# Altium PCB ROS-Robot-Controller.PcbDoc (part 1 of 2) (continued)
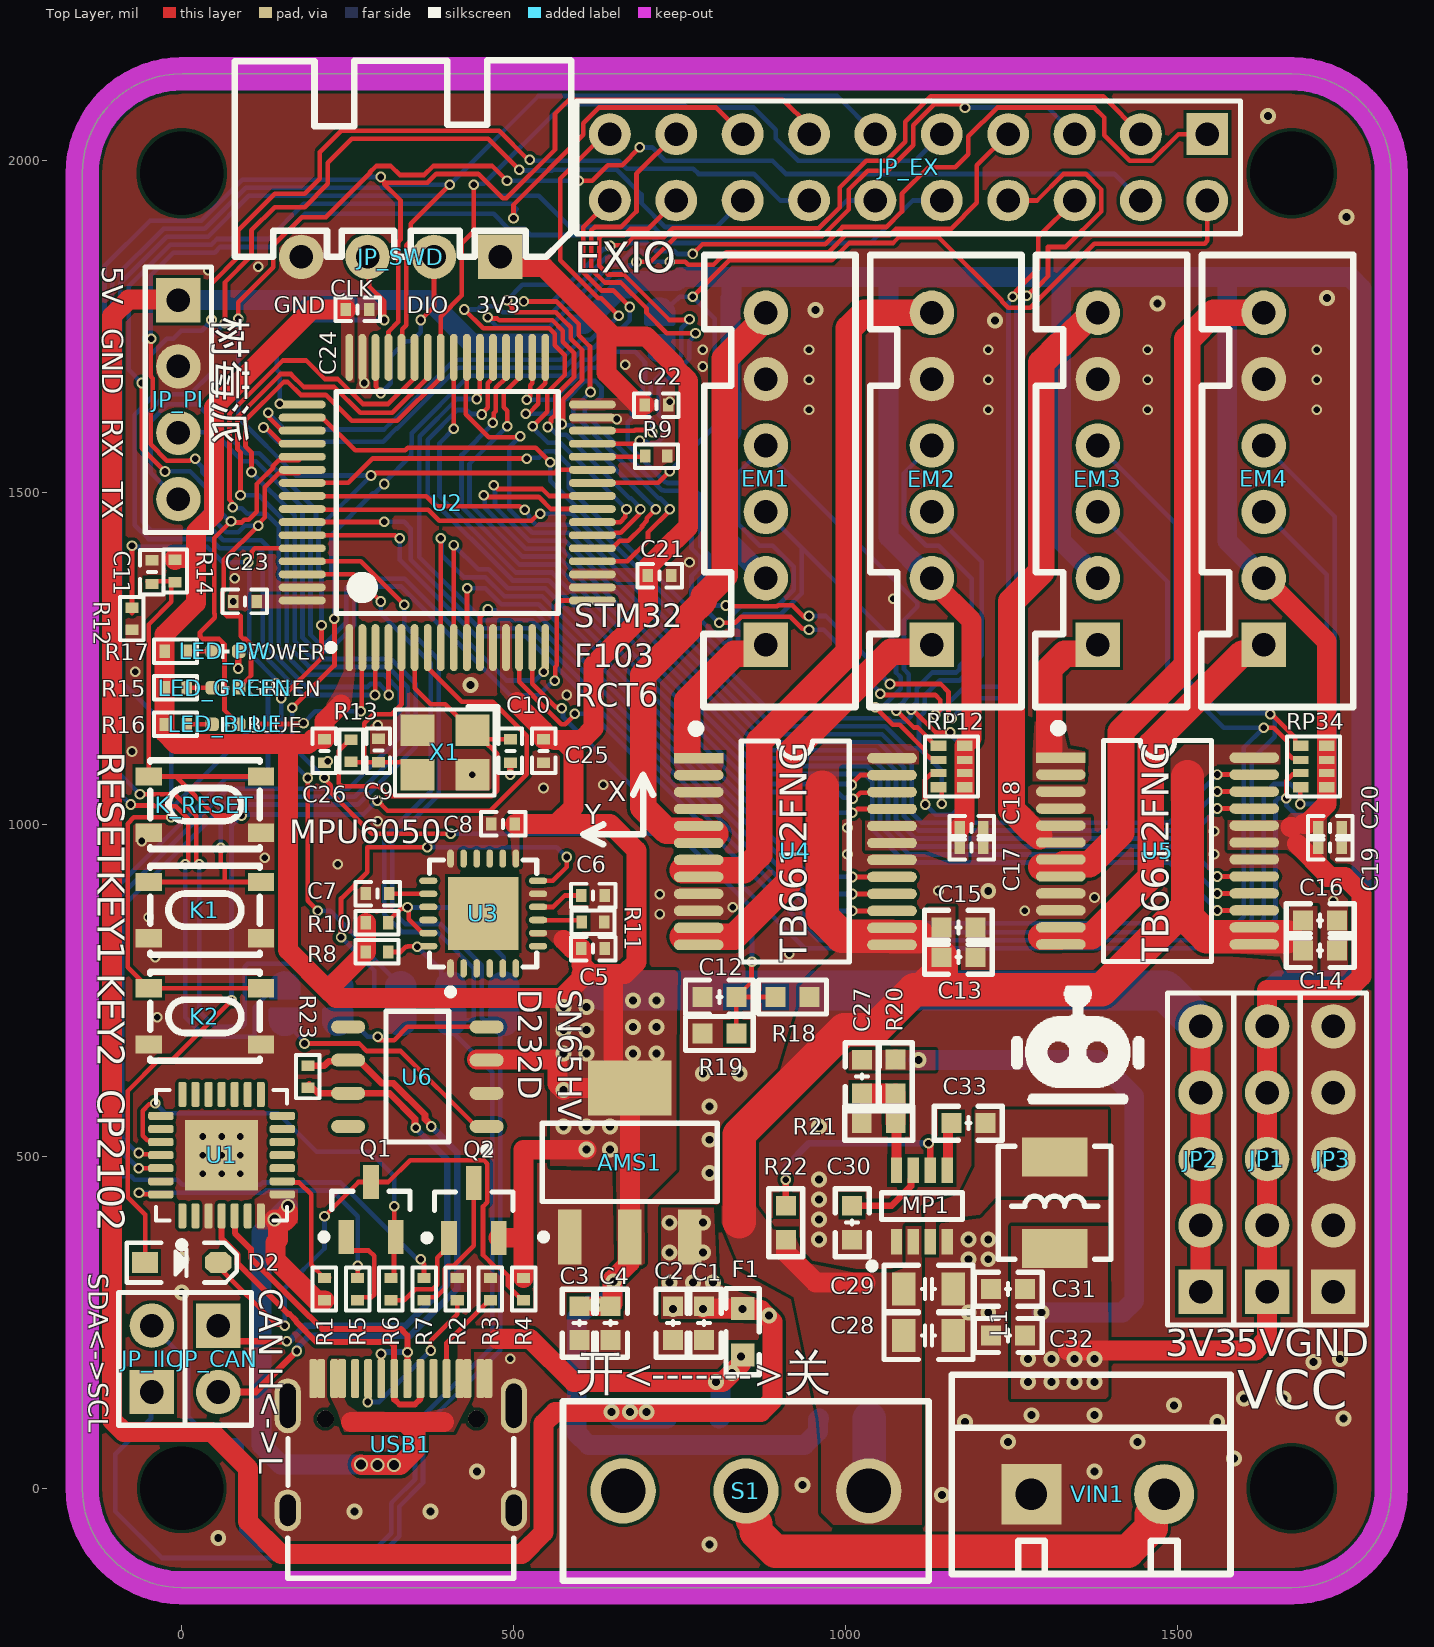
[diagram p0: Top Layer view]
## Footprints (in the part's own frame and the unit in brackets; to place one, negate y for a bottom-side part, rotate by r counter-clockwise, add the part's x,y. Pads: shape width x height; smd on the part's side, far side on the other; paste and mask are expansions set on the pad) (continued)
  oval 0.3x1.8 smd: 17(-3.75,-5.55) 18(-3.25,-5.55) 19(-2.75,-5.55) 20(-2.25,-5.55) 21(-1.75,-5.55) 22(-1.25,-5.55) 23(-0.75,-5.55) 24(-0.25,-5.55) 25(0.25,-5.55) 26(0.75,-5.55) 27(1.25,-5.55) 28(1.75,-5.55) 29(2.25,-5.55) 30(2.75,-5.55) 31(3.25,-5.55) 32(3.75,-5.55) 49(3.75,5.55) 50(3.25,5.55) 51(2.75,5.55) 52(2.25,5.55) 53(1.75,5.55) 54(1.25,5.55) 55(0.75,5.55) 56(0.25,5.55) 57(-0.25,5.55) 58(-0.75,5.55) 59(-1.25,5.55) 60(-1.75,5.55) 61(-2.25,5.55) 62(-2.75,5.55) 63(-3.25,5.55) 64(-3.75,5.55)
  silkscreen extent -5.67,-4.25 4.25,4.57, body extent -6,-6 6,6, height 1.45
"OSC 3225-4P" [mm] "3.2*2.5*0.7mm(长宽高)"
  rect 1.3x1.2 smd: 1(-1.05,-0.85) 2(1.05,-0.85) 3(1.05,0.85) 4(-1.05,0.85)
  silkscreen extent -2.03,-1.75 1.91,1.65, body extent -1.6,-1.25 1.6,1.25, height 0.7
QFN-24 [mm] "QFN, 24-Leads, Body 4.1x4.1mm (max), Pitch 0.50mm, IPC Low Density"
  oval 0.7x0.25 smd: 1(-2.1,1.25) 2(-2.1,0.75) 3(-2.1,0.25) 4(-2.1,-0.25) 5(-2.1,-0.75) 6(-2.1,-1.25) 13(2.1,-1.25) 14(2.1,-0.75) 15(2.1,-0.25) 16(2.1,0.25) 17(2.1,0.75) 18(2.1,1.25)
  oval 0.25x0.7 smd: 7(-1.25,-2.1) 8(-0.75,-2.1) 9(-0.25,-2.1) 10(0.25,-2.1) 11(0.75,-2.1) 12(1.25,-2.1) 19(1.25,2.1) 20(0.75,2.1) 21(0.25,2.1) 22(-0.25,2.1) 23(-0.75,2.1) 24(-1.25,2.1)
  rect 2.8x2.7 smd: ""(0,0)
  silkscreen extent -3.12,-2.05 2.05,2.05, body extent -2.02,-2.02 2.02,2.02, height 0.95
QFN-28 [mil]
  rrect50% 38x12 smd mask+5: 1(-91.5,59.05) 2(-91.5,39.37) 3(-91.5,19.68) 4(-91.5,0) 5(-91.5,-19.69) 6(-91.5,-39.37) 7(-91.5,-59.06) 15(91.5,-59.06) 16(91.5,-39.37) 17(91.5,-19.69) 18(91.5,0) 19(91.5,19.68) 20(91.5,39.37) 21(91.5,59.05)
  rrect50% 12x38 smd mask+5: 8(-59.05,-91.5) 9(-39.37,-91.5) 10(-19.68,-91.5) 11(0,-91.5) 12(19.69,-91.5) 13(39.37,-91.5) 14(59.06,-91.5) 22(59.06,91.5) 23(39.37,91.5) 24(19.69,91.5) 25(0,91.5) 26(-19.68,91.5) 27(-39.37,91.5) 28(-59.05,91.5)
  rect 106.3x110.24 smd: 29(0,0)
  silkscreen extent -140,-98 99,98, body extent -98,-98 98,98, height 35
R0402_L [mm] "1/16W贴片电阻"
  rect 0.4x0.5 smd: 1(-0.425,0) 2(0.425,0)
  silkscreen extent -0.83,-0.45 0.82,0.45, body extent -0.5,-0.25 0.5,0.25, height 0.3
R0603_L [mil] "1/10W贴片电阻"
  rect 30x30 smd: 1(-25.59,0) 2(25.59,0)
  silkscreen extent -51,-26 51,26, body extent -31,-16 32,16, height 16
RCA-8P4R-0402 [mm] "2mm*1mm*0.45mm(长*宽*厚)             淘宝ID:黄晶宝石"
  rect 0.4x0.6 smd: 1(-0.8,-0.5) 4(0.8,-0.5) 5(0.8,0.5) 8(-0.8,0.5)
  rect 0.3x0.6 smd: 2(-0.25,-0.5) 3(0.25,-0.5) 6(0.25,0.5) 7(-0.25,0.5)
  silkscreen extent -1.14,-1.02 1.15,1.01, body extent -1,-0.5 1,0.5, height 0.45
SO-8 [mm]
  oval 1.3x0.5 smd: 1(-2.65,1.905) 2(-2.65,0.635) 3(-2.65,-0.635) 4(-2.65,-1.905) 5(2.65,-1.905) 6(2.65,-0.635) 7(2.65,0.635) 8(2.65,1.905)
  silkscreen extent -2.78,-2.5 1.2,2.93, body extent -2.89,-2.44 2.89,2.46, height 1.45
SOD-323 [mm] "1.8x1.3X0.9mm（长宽高，不包括引脚）"
  rect 1x0.8 smd: 1(-1.4,0)
  oct 1x0.8 smd: 2(1.4,0)
  silkscreen extent -2.11,-0.76 2.11,0.76, body extent -1.32,-0.65 1.32,0.65, height 0.95
SOT23-3N [mm] "SOT23, 3-Leads, Body 2.9x1.3mm, Pitch 0.95mm, Lead Span 2.4mm, IPC Medium Density"
  rect 1.3x0.6 smd: 1(-1.05,0.95) 2(-1.05,-0.95) 3(1.05,0)
  silkscreen extent -1.17,-1.5 0.7,1.92, body extent -1.2,-1.5 1.2,1.5, height 1.05
SOT23-8N [mil] "SOT23, 8-Leads, Body 2.9x1.75mm, Pitch 0.65mm."
  rect 38.5x17 smd paste+0: 1(-53.75,38.39) 2(-53.75,12.8) 3(-53.75,-12.8) 4(-53.75,-38.39) 5(53.75,-38.39) 6(53.75,-12.8) 7(53.75,12.8) 8(53.75,38.39)
  silkscreen extent -95,-61 20,80, body extent -55,-59 55,59, height 47
SOT223_L [mm] "SOT223, 4-Leads, Body 6.5x3.5mm, Pitch 2.3mm, Lead Span 7mm, IPC High Density"
  rect 2.1x0.9 smd: 1(-2.85,2.3) 2(-2.85,0) 3(-2.85,-2.3)
  rect 2.1x3.2 smd: 4(2.85,0)
  silkscreen extent -2.97,-3.35 1.5,3.42, body extent -1.85,-3.35 1.85,3.35, height 1.7
SS-12D10 [mm] "脚距3mm      淘宝ID:黄晶宝石"
  round 2.5 hole 1.7: 1(-4.7,0) 2(0,0) 3(4.7,0)
  silkscreen extent -7,-3.43 7,3.43, body extent -7,-3.1 7,3.1, height 9.65
SSOP24_M [mm] "8.3*7.8*1.6（长宽高）"
  rect 1.9x0.4 smd: 1(-3.7,3.575)
  oval 1.9x0.4 smd: 2(-3.7,2.925) 3(-3.7,2.275) 4(-3.7,1.625) 5(-3.7,0.975) 6(-3.7,0.325) 7(-3.7,-0.325) 8(-3.7,-0.975) 9(-3.7,-1.625) 10(-3.7,-2.275) 11(-3.7,-2.925) 12(-3.7,-3.575) 13(3.7,-3.575) 14(3.7,-2.925) 15(3.7,-2.275) 16(3.7,-1.625) 17(3.7,-0.975) 18(3.7,-0.325) 19(3.7,0.325) 20(3.7,0.975) 21(3.7,1.625) 22(3.7,2.275) 23(3.7,2.925) 24(3.7,3.575)
  silkscreen extent -3.93,-4.23 2.07,4.83, body extent -3.85,-4.15 3.85,4.15, height 1.65
SW-SMD_4P-L4.2-W3.3-P2.15-LS5.1 [mm]
  rect 1x0.7 smd: 1(-2.15,1.075) 2(2.15,1.075) 3(-2.15,-1.075) 4(2.15,-1.075)
  silkscreen extent -2.1,-1.7 2.1,1.7
"TEST 1" [mm] "测试点1mm"
  round 1 smd paste-1: 1(0,0)
Type-C-TOP [mm]
  round 0.65 hole 0.65: 0(-0.98,2.89) 0(-0.98,-2.89)
  oval 1.6x1 hole 0.6 slot 1.2 at 0 deg: 1(2.52,4.325) 2(2.52,-4.325)
  oval 2.1x1 hole 0.6 slot 1.7 at 0 deg: 3(-1.48,-4.325) 4(-1.48,4.325)
  rrect50% 1.5x0.3 smd: A1(-2.52,-3.35) A4(-2.52,-2.55) A5(-2.52,-1.25) A6(-2.52,-0.25) A7(-2.52,0.25) A8(-2.52,1.25) A9(-2.52,2.55) A12(-2.52,3.35) B1(-2.52,3.05) B4(-2.52,2.25) B5(-2.52,1.75) B6(-2.52,0.75) B7(-2.52,-0.75) B8(-2.52,-1.75) B9(-2.52,-2.25) B12(-2.52,-3.05)
  silkscreen extent -0.22,-4.33 5.12,4.32, body extent -2.57,-4.48 5.18,4.48, height 3.26
XH2.54-LI-6P [mm] "接插件，6P"
  rect 1.7x1.7 hole 0.9: 1(-6.35,0)
  round 1.7 hole 0.9: 2(-3.81,0) 3(-1.27,0) 4(1.27,0) 5(3.81,0) 6(6.35,0)
  silkscreen extent -8.74,-3.43 8.56,2.39, body extent -8.85,-3.3 8.85,2.4, height 7.05
XH2.54-WI-4P [mm] "接插件，4P"
  rect 1.7x1.7 hole 0.9: 1(-3.81,0)
  round 1.7 hole 0.9: 2(-1.27,0) 3(1.27,0) 4(3.81,0)
  silkscreen extent -6.53,-7.53 6.35,0, body extent -6.31,-7.5 6.31,0.2, height 2.89

## Part data
AMS1: library part AMS1117, "三端稳压芯片", BOM名称=稳压芯片, 封装库来自淘宝卖家 ID：黄晶宝石=其他店铺购入均为盗版，请立即申请退款，本店现金奖励5~20元, 联系卖家 免费查找封装=唯一出售店铺网址https://shop463601444.taobao.com
C1 C2 C3 C4 C5 C6 C7 C8 C9 C10 C11 C12 C13 C14 C15 C16 C17 C18 C19 C20 C21 C22 C23 C24 C25 C26 C27 C28 C29 C30 C31 C32 C33: library part C, "贴片电容", BOM名称=无极性贴片电容, 封装库来自淘宝卖家ID：黄晶宝石=其他店铺购入均为盗版假冒封装库，请立即申请退款, 联系卖家，免费查找封装=唯一出售店铺网址https://shop463601444.taobao.com
D2: "开关二极管", BOM名称=高速开关二极管, 联系卖家，免费查找封装=唯一出售店铺网址https://shop463601444.taobao.com
DE1 DE2 DE3 DE_CAN_Rx DE_CAN_Tx DE_VIN_ADC: library part DEBUG, "调试断点焊盘", BOM名称=调试断点焊盘, 联系卖家，免费查找封装=唯一出售店铺网址https://shop463601444.taobao.com
EM1 EM2 EM3 EM4: library part "Header 6", "6P接插件", BOM名称=6P接插件, 封装库来自淘宝卖家 ID：黄晶宝石=其他店铺购入均为盗版假冒封装库, 联系卖家，免费查找封装=唯一出售店铺网址https://shop463601444.taobao.com
F1: library part FU, "贴片保险丝", BOM名称=贴片保险丝, 联系卖家，免费查找封装=唯一出售店铺网址https://shop463601444.taobao.com
JP1 JP2 JP3: library part "Header 5", "5P接插件", BOM名称=5P接插件, 封装库来自淘宝卖家 ID：黄晶宝石=其他店铺购入均为盗版假冒封装库, 联系卖家，免费查找封装=唯一出售店铺网址https://shop463601444.taobao.com
JP_CAN JP_IIC VIN1: library part "Header 2", "2P接插件", BOM名称=2P接插件, 封装库来自淘宝卖家 ID：黄晶宝石=其他店铺购入均为盗版假冒封装库
  JP_CAN JP_IIC: 联系卖家，免费查找封装=唯一出售店铺网址https://shop463601444.taobao.com
  VIN1: 联系卖家，免费技术支持=唯一出售店铺网址https://shop463601444.taobao.com
JP_EX: library part "Header 10X2", "10*2P接插件", BOM名称=10*2P接插件, 封装库来自淘宝卖家 ID：黄晶宝石=其他店铺购入均为盗版假冒封装库, 联系卖家，免费查找封装=唯一出售店铺网址https://shop463601444.taobao.com
JP_PI JP_SWD: library part "Header 4", "4P接插件", BOM名称=4P接插件, 封装库来自淘宝卖家 ID：黄晶宝石=其他店铺购入均为盗版假冒封装库, 联系卖家，免费查找封装=唯一出售店铺网址https://shop463601444.taobao.com
K1 K2 K_RESET: library part ButtonTACT, "Button", Type="TACT 4P"
L1: library part "L-Molding Choke", "一体成型电感", BOM名称=一体成型电感, 封装库来自淘宝卖家ID：黄晶宝石=其他店铺购入均为盗版假冒封装库，请立即申请退款, 联系卖家，免费查找封装=唯一出售店铺网址https://shop463601444.taobao.com
LED_BLUE LED_GREEN LED_PW: library part LED-SMD, "贴片LED", BOM名称=贴片LED, 封装库来自淘宝卖家 ID：黄晶宝石=其他店铺购入均为假冒，请立即申请退款，本店奖励现金5~20元
MP1: library part MP2315, "3A/24V DC-DC降压芯片", 封装库来自淘宝卖家 ID：黄晶宝石=其他店铺购入均为盗版，请立即申请退款，本店现金奖励5~20元, 联系卖家 免费查找封装=唯一出售店铺网址https://shop463601444.taobao.com
Q1: library part 8050-SMD, "高频放大-NPN型", BOM名称=高频放大-NPN型, 参数="40V 1.5A 1W 100MHZ", 封装库来自淘宝卖家 ID：黄晶宝石=其他店铺购入均为盗版，不享受售后技术支持服务，请立即申请退款, 联系卖家，免费查找封装=唯一出售店铺网址https://shop463601444.taobao.com
Q2: library part 8550-SMD, "高频放大-PNP型", BOM名称=高频放大-PNP型, 参数="40V 1.5A 1W 100MHZ", 封装库来自淘宝卖家 ID：黄晶宝石=其他店铺购入均为盗版，不享受售后技术支持服务，请立即申请退款, 联系卖家，免费查找封装=唯一出售店铺网址https://shop463601444.taobao.com
R1 R2 R3 R4 R5 R6 R7 R8 R9 R10 R11 R12 R13 R14 R15 R16 R17 R18 R19 R20 R21 R22 R23: library part R, "贴片电阻", BOM名称=贴片电阻, 封装库来自淘宝卖家ID：黄晶宝石=其他店铺购入均为盗版假冒封装库，请立即申请退款, 联系卖家，免费查找封装=唯一出售店铺网址https://shop463601444.taobao.com
RP12 RP34: library part R-8P4R, "贴片4P排阻", BOM名称=贴片网络排阻, 封装库来自淘宝卖家ID：黄晶宝石=其他店铺购入均为盗版假冒封装库，请立即申请退款, 联系卖家，免费查找封装=唯一出售店铺网址https://shop463601444.taobao.com
S1: library part SSW-1P, "1路波动开关", BOM名称=波动开关, 联系卖家，免费查找封装=唯一出售店铺网址https://shop463601444.taobao.com
TP_GND TP_USB_5V TP_VCC3V3 TP_VCC5V TP_VCC12V: "测试点", BOM名称=测试点, 联系卖家，免费查找封装=唯一出售店铺网址https://shop463601444.taobao.com
U1: "USB转TTL", MFG #1="SILICON LABS", PART DESC="SINGLE-CHIP USB TO UART BRIDGE, QFN28, RoHS.", PART NUMBER=CP2102, RefDes=RefDes, Type=DEV
U2: "STM32 ARM-based 32-bit MCU Performance Line with 256 kB Flash, 48 kB Internal RAM, -40 to +85癈 Temperature, 64-Pin LQFP, Tray", ComponentLink1Description="Manufacturer URL", ComponentLink1URL=http://www.st.com/, ComponentLink2Description="STM32F103 Datasheet", ComponentLink2URL=http://www.st.com/internet/com/TECHNICAL_RESOURCES/TECHNICAL_LITERATURE/DATASHEET/CD00191185.pdf, ComponentLink3Description="STM32 Family Web Page", ComponentLink3URL=www.st.com/stm32, DatasheetVersion="rev8.0, Apr-2011", PackageDescription="64-Pin Low-Profile Quad Flat Pack, 10 x 10 mm Body, 0.5 mm Pitch (LQFP64)", PackageReference=LQFP64, PackageVersion="rev13, Apr-2011", 联系卖家，免费查找封装=唯一出售店铺网址https://shop463601444.taobao.com
U3: "六轴传感器"
U4 U5: "电机驱动", BOM名称=TB6612FNG, 联系卖家，免费查找封装=唯一出售店铺网址https://shop463601444.taobao.com
U6: Manufacturer="Texas Instruments", Manufacturer Part Number=SN65HVD232DR, Operating Temperature="-40°C ~ 85°C", Package / Case="8-SOIC (0.154\", 3.90mm Width)", Supplier Device Package=8-SOIC, Supplier Part Number 1=296-26344-2-ND, Voltage - Supply="3 V ~ 3.6 V", Category="Integrated Circuits (ICs)", ComponentLink1Description=http://www.ti.com/lit/ds/symlink/sn65hvd230.pdf, ComponentLink1URL=http://www.ti.com/lit/ds/symlink/sn65hvd230.pdf, Data Rate=1Mbps, Duplex=Half, Mounting Type="Surface Mount", Number of Drivers/Receivers=1/1, Packaging="Tape & Reel (TR)", Part Status=Active, Pricing 1="2500=0.84375 (USD)", Pricing 2="1=2.05, 10=1.842, 100=1.4809, 500=1.21668, 1000=1.00811 (USD)", Protocol=CAN, RoHS="RoHS Compliant", Stock=5000, Supplier 1=Digi-Key, Supplier 2=Digi-Key, Supplier Part Number 2=296-26344-1-ND, Type=Transceiver
USB1: library part USB-Type-C-TOP
X1: library part XTAL-4P, "4脚无源晶振", BOM名称=4脚无源晶振, 联系卖家，免费查找封装=唯一出售店铺网址https://shop463601444.taobao.com

## Free pads (board coordinates)
  round 0 hole 125.98: 5(0,0) 5(0,1980.91) 5(1672.2,0) 5(1672.2,1980.91)

## Via types
v1: diameter 16, hole 10, Top Layer to Bottom Layer, tented both sides, 227 vias
v2: diameter 24, hole 12, Top Layer to Bottom Layer, tented both sides, 94 vias
v3: diameter 21, hole 15, Top Layer to Bottom Layer, tented both sides, 5 vias

## Nets (pads, with @x,y where several pads share a name; then routed paths per layer and width w, separated by ;. In a path a pad name is that pad's centre, name@x,y a point inside that pad or via, vN(x,y) a via of type N, cw(c..) or ccw(c..) an arc to the next point about the centre after c; other vN are vias at no path point)
BOOT0: R7.2 R12.1 U2.60 | length 2083
  Top Layer w7: -75,1318.46 -75,1405 ; -75,1341.73 v1(-75,1420) ; v1(100,1395) 100,1397.44 105.19,1402.62 105.19,1411.15 110.14,1416.1 U2.60@181.5,1416.1 ; v1(360,345) 360,342.56 365,337.57 R7.2@365,316.73
  Bottom Layer w7: v1@-72.59,1418 38.62,1418 61.62,1395 v1(100,1395) 101.5,1393.5 101.5,1258.5 145,1215 v1(142.42,1212.42) 130,1200 130,1080 120,1070 66.97,1070 -115,888.03 -115,475 -110,470 -76.21,470 -71.21,465 -7.1,465 0.77,457.12 118.45,457.12 121.82,460.5 239.5,460.5 355,345 v1(360,345)
BOOT1: R9.1 U2.28 | length 80.2
  Top Layer w7: U2.28@618.5,1553.9 697.16,1553.9 R9.1@698.27,1555
CAN_H: JP_CAN.1 R23.1 U6.7 | length 842.4
  Top Layer w7: R23.1@190,608.27 R23.1@191.97,608.27
  Top Layer w10: JP_CAN.1@55,245 78.31,221.69 v1(158.31,221.69) ; R23.1@191.97,608.27 205.23,595 U6.7@250.67,595 312.93,595 351.46,556.46 v1@351.46,548.32 ; v1@351.48,548.31 351.48,544.17 v1(352.63,543.03)
  Bottom Layer w10: v1(158.31,221.69) 162.55,221.69 185.86,245 337.93,245 400,307.07 400,495 352.63,542.37 v1(352.63,543.03)
CAN_L: JP_CAN.2 R23.2 U6.6 | length 923
  Top Layer w10: JP_CAN.2@55,145 111.31,145 v1(173.16,206.84) ; R23.2@190,636.73 214.84,636.73 221.26,643.15 248.82,643.15 U6.6@250.67,645 266.42,645 301.42,610 319.14,610 366.46,562.68 366.46,556.16 376,546.62 v1(376,545)
  Bottom Layer w10: v1(173.16,206.84) 173.16,211.09 192.07,230 344.14,230 415,300.86 415,506 v1(376,545)
CAN_Rx: DE_CAN_Rx.1 U6.4 | length 242.9
  Top Layer w7: v1@295,675.11 320.11,675.11 340,695 U6.4@459.33,695
  Bottom Layer w7: DE_CAN_Rx.1@235,705 255,705 279.89,680.11 v1(295,680.11)
CAN_Tx: DE_CAN_Tx.1 U6.1 | length 373.5
  Top Layer w7: v1(185,670) 267.36,670 278.74,658.61 329.97,658.61 443.58,545 U6.1@459.33,545
  Bottom Layer w7: DE_CAN_Tx.1@155,705 155,702.44 167.8,689.63 185,672.44 v1(185,670)
CP2102_D+: U1.4 USB1.A6 USB1.B6 | length 514.8
  Top Layer w9: U1.4@60,397.31 60,375.99 84.19,351.81 84.19,338.62 160.3,262.5 162.25,262.5 172.5,252.25 172.5,250.56 203.06,220 314.73,220 320,214.73 320,165.12 320,134.05 327.96,126.09 351.09,126.09 360,135 360,164.64 USB1.B6@359.53,165.12
CP2102_D-: U1.5 USB1.A7 USB1.B7 | length 501.1
  Top Layer w9: U1.5@79.69,410.31 80,410 80,384.28 104.19,360.09 104.19,346.9 192.32,258.77 192.57,258.77 211.34,240 330,240 340,230 v1(340,205) 339.92,204.92 339.92,165.2 USB1.A7@339.84,165.12 ; v1(300.1,202.24) 300.29,202.06 300.29,165.3 USB1.B7@300.47,165.12
  Bottom Layer w9: v1(300.1,202.24) 302,202.24 304.76,205 v1(340,205)
DTR: R5.1 U1.28 | length 474.1
  Top Layer w7: v1(-64.49,445) -62.24,442.76 U1.28@-31.5,442.76 ; R5.1@265,316.73 v1(265,335)
  Bottom Layer w7: v1(-64.49,445) 123.29,445 126.79,448.5 226.5,448.5 265,410 v1(265,335)
GND: AMS1.1 C1.1 C2.1 C3.1 C4.1 C5.1 C6.1 C7.2 C8.2 C9.2 C10.2 C11.1 C12.1 C13.1 C14.1 C15.1 C16.1 C17.2 C18.1 C19.2 C20.1 C21.1 C22.1 C23.1 C24.1 C25.1 C26.1 C28.1 C29.1 C30.1 C31.1 C32.1 EM1.5 EM2.5 EM3.5 EM4.5 JP3.1 JP3.2 JP3.3 JP3.4 JP3.5 JP_PI.2 JP_SWD.4 K1.3 K1.4 K2.3 K2.4 K_RESET.3 K_RESET.4 LED_PW.2 MP1.1 MP1.4 R2.1 R3.1 R9.2 R11.1 R12.2 R19.1 R21.2 TP_GND.1 U1.3 U1.29 U2.12 U2.18 U2.31 U2.47 U2.63 U3.1 U3.11 U3.18 U4.3 U4.4 U4.9 U4.10 U4.18 U5.3 U5.4 U5.9 U5.10 U5.18 U6.2 USB1.1 USB1.2 USB1.3 USB1.4 USB1.A1 USB1.A12 USB1.B1 USB1.B12 VIN1.1 X1.2 X1.4 | length 44.9
  Top Layer w10: v1(85,1235) 85,1260.91 LED_PW.2@85.83,1260.91 ; v1(495,1075) C10.2@495,1093.19
  other v1: 495,195 31.81,473.62 60,473.62 88.19,473.62 31.81,501.81 60,501.81 88.19,501.81 31.81,530 60,530 88.19,530 -36.91,709.66 -40,800 915,805 -50,860 720,865 1270,870 830,875 1735,885 1375,890 720,895 1140,900 235,940 125,950 1003,955 1555,955 -60,975 1555,990 1003,995 295,1005 545,1055 635,1060 437.68,1075 220.16,1095 -75,1110 295.38,1149.62 580,1195 -70,1230 77.41,1335.91 1071.95,1340 80,1370.75 765,1395 655.27,1610.73 945,1625 1215,1625 1455,1625 1710,1625 735,1636.72 275,1665 945,1670 1215,1670 1455,1670 1710,1670 785,1690 668,1692.45 785,1715 945,1715 1215,1715 1455,1715 1710,1715 40,1835 115,1840
  other v2: 795,-85 55,-75 260,-35 375,-35 1145,-10 935,5 445,25 1375,25 1585,45 1245,70 1440,70 1180,100 1560,100 1750,105 1280,110 1375,110 1495,125 1600,135 1660,135 1705,190 1745,195 1185,265 1215,265 0,295 0,345 1185,345 1215,345 960,375 1185,375 1215,375 960,405 960,435 960,465 795,475 795,525 960,545 795,575 785,625 840,625 1215,900 435,1210 1225,1759.5 955,1775 1470,1785 1725,1793 1755,1915 1636.49,2067.09
KEY1: JP_EX.9 K1.1 K1.2 U2.41 | length 2781.8
  Top Layer w7: K1.1@-65,913.51 -54.72,903.23 K1.1@-49.64,903.23 ; K1.1@-43.74,913.23 K1.2@119.65,913.23 ; v1(58.5,965) 58.5,941.15 65,934.65 65,913.23 ; v1(105,1530.91) 105,1560.93 95.96,1569.97 95.96,1608.79 153.74,1666.56 159.54,1666.56 179.05,1647.04 216.99,1647.04 256.03,1608 324.87,1608 390.16,1673.29 U2.41@390.16,1703.5 390.16,1765.16 421.96,1796.96 421.96,1875.91 440,1893.95 v1(440,1963.5)
  Bottom Layer w7: v1(58.5,965) 58.5,1006.53 81.97,1030 172.72,1030 173.22,1029.5 206.78,1029.5 207.28,1030 265.26,1030 352.57,1117.31 352.57,1211.78 315.03,1249.32 196.74,1249.32 170,1276.06 170,1465.91 v1(105,1530.91) ; v1(440,1963.5) 441.72,1965.22 455.22,1965.22 575.41,2085.41 756.16,2085.41 761.57,2080 861.57,2080 895,2046.56 895,2033.44 928.43,2000 1105,2000 JP_EX.9@1145,2040
KEY2: JP_EX.12 K2.1 K2.2 U2.2 | length 3015.9
  Top Layer w7: v1(-15.68,1010.68) -72.13,1010.68 -81.5,1001.31 -81.5,785.09 K2.1@-49.64,753.23 K2.2@119.65,753.23 ; v1(110,1150) 111.38,1151.38 182,1151.38 v1(183.38,1152.75) ; v1(269.55,1170.45) 271.13,1172.03 271.13,1265.58 U2.2@272.05,1266.5
  Bottom Layer w7: v1(-15.68,1010.68) -13.96,1012.4 -13.96,1026.04 v1(110,1150) ; -15.68,1026.04 -15.68,1140.68 -92.5,1217.5 -92.5,1815.39 -22.48,1885.41 39.55,1885.41 101.14,1947 538,1947 585,1900 711.46,1900 723.46,1888 949.57,1888 1001.56,1940 JP_EX.12@1045,1940 ; v1(183.38,1152.75) 201.08,1170.45 v1(269.55,1170.45)
LED_BLUE: JP_EX.10 LED_BLUE.2 U2.53 | length 2269.2
  Top Layer w7: v1(-46.22,1731.46) -46.96,1730.72 -46.96,1675.3 -43.5,1671.83 -43.5,1623.96 -46.96,1620.49 -46.96,1572.62 -22.38,1548.04 -12.95,1548.04 12.38,1548.04 13.76,1549.41 18.74,1549.41 v1(20.46,1551.13) ; v1(74.23,1456.9) 48.91,1431.58 48.91,1317.57 49.46,1317.02 49.46,1311.22 27.54,1289.31 27.54,1283.51 31.64,1279.41 56.42,1279.41 64.33,1271.5 64.33,1172.41 LED_BLUE.2@85.83,1150.91 ; v1@76.49,1454.94 90.24,1454.94 94.33,1459.03 100.69,1459.03 113,1471.33 113,1512.9 137.56,1537.47 137.56,1540.18 146,1548.62 176.22,1548.62 U2.53@181.5,1553.9
  Bottom Layer w7: v1(-46.22,1731.46) -46.96,1732.2 -46.96,1826.99 -12.54,1861.41 49.49,1861.41 58.08,1870 135.65,1870 185.65,1920 469.86,1920 492.9,1896.96 516.99,1896.96 525.95,1888 706.49,1888 718.49,1876 1037.57,1876 1101.56,1940 JP_EX.10@1145,1940 ; v1(20.46,1551.13) 20.46,1548.7 30.88,1538.28 30.88,1530.44 48.96,1512.35 48.96,1474.75 55.02,1468.7 60,1468.7 71.8,1456.9 v1(74.23,1456.9)
LED_GREEN: JP_EX.15 LED_GREEN.2 U2.54 | length 2069.4
  Top Layer w7: v1(-60,1665) -60,1566.5 v1(-25.3,1531.8) ; LED_GREEN.2@85.83,1205.91 104.33,1224.41 104.33,1271.5 96.42,1279.41 92.76,1279.41 88.66,1283.51 88.66,1314.15 67.6,1314.15 60.91,1320.84 60.91,1349.27 63.5,1351.86 63.5,1398.5 v1(115,1450) 115,1452.44 125,1462.44 125,1507.93 146,1528.93 176.22,1528.93 U2.54@181.5,1534.21 ; v1(499.73,1913.46) 499.73,1933.84 605,2039.11 605,2056.56 628.43,2080 805,2080 JP_EX.15@845,2040
  Bottom Layer w7: v1(-60,1665) -79.96,1684.96 -79.96,1810.96 -17.51,1873.41 44.52,1873.41 53.11,1882 130.68,1882 183.68,1935 496.78,1935 504.64,1927.14 501.45,1923.96 501.45,1915.19 v1(499.73,1913.46) ; v1(-25.3,1531.8) -25.13,1531.96 12.38,1531.96 36.96,1507.38 36.96,1472.62 28.25,1463.9 28.25,1458.1 32.35,1454 53.53,1454 67.32,1440.21 85.05,1440.21 94.84,1450 v1(115,1450)
M1EA: EM1.3 RP12.2 U2.50 | length 1598.5
  Top Layer w7: U2.50@181.5,1612.95 211.71,1612.95 261.16,1563.5 336.83,1563.5 340.74,1567.41 533.5,1567.41 v1(555,1545.91) ; v1(1045,1176.5) 1071.3,1150.2 1081.53,1150.2 1119.69,1112.03 1119.69,1107.5 1127.54,1099.65 1137.59,1099.65 RP12.2@1140,1097.24
  Bottom Layer w7: v1(555,1545.91) 555,1518.03 826.17,1246.86 833.93,1246.86 838.04,1250.96 838.04,1307.89 847.09,1316.94 902.35,1316.94 933.96,1348.55 933.96,1416.94 ; EM1.3@880,1470.91 933.96,1416.94 ; v1(1045,1176.5) 1046.72,1178.22 1056.87,1178.22 1083.41,1204.76 1083.41,1221.58 1076.04,1228.95 1076.04,1273.96 1016.55,1333.45 1016.55,1334.36 933.96,1416.94
M1EB: EM1.4 RP12.1 U2.55 | length 1832.7
  Top Layer w7: U2.55@181.5,1514.53 250.59,1514.53 287.47,1551.41 519.5,1551.41 v1(520,1550.91) ; v1(1076.59,1171.59) 1077.1,1171.59 1102.6,1146.09 1108.87,1146.09 1136.06,1118.9 RP12.1@1140,1118.9
  Bottom Layer w7: v1(520,1550.91) 521.72,1552.63 538.16,1552.63 547.94,1562.41 561.83,1562.41 582.84,1541.4 582.84,1507.16 816.14,1273.86 821.93,1273.86 826.04,1277.96 826.04,1312.86 842.11,1328.94 897.38,1328.94 921.96,1353.52 921.96,1388.29 890.25,1420 870.91,1420 838.04,1452.87 838.04,1528.94 EM1.4@880,1570.91 880,1561.56 1107.95,1333.61 1107.95,1327.81 1088.04,1307.89 1088.04,1233.92 1095.41,1226.55 1095.41,1194.35 1088.23,1187.17 1088.23,1185.67 1076.59,1174.03 v1(1076.59,1171.59)
M1IN1: U2.8 U4.21 | length 1031.7
  Top Layer w7: v1(390,1430.91) 390.16,1430.75 U2.8@390.16,1266.5 ; v1(1009.75,1017.58) 1012.18,1017.58 1017.87,1023.27 U4.21@1070,1023.27
  Bottom Layer w7: v1(390,1430.91) 391.72,1429.18 391.72,1405.85 425.17,1372.41 457.43,1372.41 486.24,1343.6 542.76,1343.6 868.78,1017.58 v1(1009.75,1017.58)
M1IN2: U2.9 U4.22 | length 977.1
  Top Layer w7: U2.9@409.84,1266.5 409.84,1349.08 409.84,1420.75 v1(410,1420.91) ; v1(1010.68,1038.56) 1013.11,1038.56 1022.1,1047.54 1068.68,1047.54 U4.22@1070,1048.86
  Bottom Layer w7: v1(410,1420.91) 446.5,1384.41 462.4,1384.41 491.21,1355.6 547.73,1355.6 854.47,1048.86 988.16,1048.86 996.74,1040.28 1008.95,1040.28 v1(1010.68,1038.56)
M1OUT1: EM1.1 U4.1 U4.2 | length 227.9
  Top Layer w40: 761.26,1112.17 761.26,1186.26 832.44,1257.44 866.54,1257.44 EM1.1@880,1270.91
M1OUT2: EM1.6 U4.5 U4.6 | length 946.9
  Top Layer w40: 803.66,985.91 778.66,985.91 774.17,990.39 730.51,990.39 695,1025.91 695,1225 763.77,1293.77 763.77,1313.77 786.7,1336.7 786.7,1343.52 818.28,1375.11 818.28,1701.9 880,1763.62 EM1.6@880,1770.91
M1PWM: U2.37 U4.23 | length 1167.7
  Top Layer w7: v1(451.7,1617.6) 451.7,1618.28 461,1627.58 461,1664.78 468.9,1672.67 U2.37@468.9,1703.5 ; v1(1009.13,1059.5) 1009.13,1061.49 1022.1,1074.45 U4.23@1070,1074.45
  Bottom Layer w7: v1(451.7,1617.6) 450.85,1618.44 435.12,1618.44 429.16,1624.41 415.17,1624.41 370.5,1579.74 370.5,1496.55 369.96,1496.01 498.37,1367.6 552.7,1367.6 859.44,1060.86 1007.78,1060.86 v1(1009.13,1059.5)
M2EA: EM2.3 RP12.4 U2.56 | length 1658.8
  Top Layer w7: U2.56@181.5,1494.84 181.93,1494.41 368.04,1494.41 383.04,1479.41 509.28,1479.41 514.42,1474.27 v1(516.86,1474.27) ; RP12.4@1140,1055.91 1140.63,1055.91 1145,1051.53 v1(1145,1031.31)
  Bottom Layer w7: v1(516.86,1474.27) 516.86,1471.83 523.5,1465.19 523.5,1461.26 533.17,1451.6 587.49,1451.6 891.09,1148 1059.88,1148 1092.88,1115 1110.71,1115 ; EM2.3@1130,1470.91 1205,1395.91 1205,1255 1183.96,1233.96 1183.96,1228.95 1171.96,1216.94 1141.94,1216.94 1119.41,1194.41 1119.41,1172.74 1118.5,1171.83 1118.5,1169.27 1110.71,1161.48 1110.71,1115 ; v1(1145,1031.31) 1145,1080.71 1110.71,1115
M2EB: EM2.4 RP12.3 U2.57 | length 1911.2
  Top Layer w7: U2.57@181.5,1475.16 182.42,1474.24 215.35,1474.24 215.68,1473.91 371.57,1473.91 388.07,1457.41 526.88,1457.41 537.56,1468.1 v1(540,1468.1) ; v1(1098.96,1173.06) 1101.4,1173.06 1135.5,1138.96 v1(1158.01,1138.96) ; v1(1120,1030) 1119.69,1030.31 1119.69,1067.3 1127.54,1075.15 1137.59,1075.15 RP12.3@1140,1077.56
  Bottom Layer w7: v1(540,1468.1) 587.96,1468.1 896.06,1160 1064.85,1160 1069.76,1155.09 1090.09,1155.09 1098.71,1163.71 1098.71,1168.26 v1@1101.24,1170.79 ; v1(1098.96,1173.06) 1098.96,1175.5 1107.41,1183.94 1107.41,1205.44 1130.91,1228.94 1166.99,1228.94 1171.96,1233.92 1171.96,1238.94 1183.96,1250.94 1183.96,1304.87 1190,1310.91 1190,1370.25 1140.25,1420 1121.56,1420 1088.04,1453.52 1088.04,1528.94 EM2.4@1130,1570.91 ; v1(1120,1030) 1120.72,1030 1135.92,1014.81 1160.87,1014.81 1168.03,1021.97 1168.03,1125.5 1158.01,1135.52 v1(1158.01,1138.96)
M2IN1: U2.10 U4.17 | length 909.8
  Top Layer w7: U2.10@429.53,1266.5 429.76,1266.73 429.76,1355.67 v1(430,1355.91) ; v1(1010,920.91) U4.17@1070,920.91
  Bottom Layer w7: v1(430,1355.91) 456.96,1355.91 481.27,1331.6 537.79,1331.6 948.24,921.15 1009.76,921.15 v1(1010,920.91)
M2IN2: U2.11 U4.16 | length 849.2
  Top Layer w7: U2.11@449.21,1266.5 449.21,1312.43 460.88,1324.1 v1(461.25,1324.1) ; v1(1010,895.31) U4.16@1070,895.31
  Bottom Layer w7: v1(461.25,1324.1) 462.98,1322.37 473.52,1322.37 476.3,1319.6 532.82,1319.6 957.1,895.31 v1(1010,895.31)
M2OUT1: EM2.1 U4.11 U4.12 | length 670.3
  Top Layer w40: 755,830.91 778.66,830.91 832.58,830.91 915,913.33 915,1106.36 1068.55,1259.91 1119,1259.91 EM2.1@1130,1270.91
M2OUT2: EM2.6 U4.7 U4.8 | length 1108.5
  Top Layer w40: 755,930.91 778.66,930.91 846.57,930.91 870,954.34 870,1125 1005,1260 1005,1747.47 1028.43,1770.91 EM2.6@1130,1770.91
M2PWM: U2.38 U4.15 | length 1288.7
  Top Layer w7: v1(444.5,1640.91) 444.5,1643.34 449,1647.84 449,1703.29 U2.38@449.21,1703.5 ; v1(1010,869.72) U4.15@1070,869.72
  Bottom Layer w7: v1(444.5,1640.91) 414.69,1640.91 358.5,1584.71 358.5,1568.19 357.96,1567.65 357.96,1402.95 453.31,1307.6 527.85,1307.6 965.72,869.72 v1(1010,869.72)
M3EA: EM3.3 RP34.2 U2.58 | length 2548.4
  Top Layer w7: U2.58@181.5,1455.47 181.71,1455.69 304.78,1455.69 v1(305,1455.91) ; v1(1630,1145.91) 1645,1145.91 1665.32,1125.59 1665.32,1107.5 1673.17,1099.65 1683.22,1099.65 RP34.2@1685.63,1097.24
  Bottom Layer w7: v1(305,1455.91) 335,1455.91 345,1445.91 345,1398.94 448.34,1295.6 522.88,1295.6 967.57,850.91 1590,850.91 1600,860.91 1600,1115.91 v1(1630,1145.91) 1570.03,1145.91 1485,1230.94 1485,1365.91 EM3.3@1380,1470.91
M3EB: EM3.4 RP34.1 U2.59 | length 2656.6
  Top Layer w7: U2.59@181.5,1435.79 321.18,1435.79 326.06,1430.91 v1(328.5,1430.91) ; v1(1640,1165.91) 1641.97,1165.91 1677.32,1130.56 1677.32,1123.27 1681.69,1118.9 RP34.1@1685.63,1118.9
  Bottom Layer w7: v1(328.5,1430.91) 328.5,1398.46 443.37,1283.6 517.91,1283.6 963.78,837.72 1593.79,837.72 1612,855.94 1612,1097.91 1646.5,1132.41 1646.5,1159.41 v1(1640,1165.91) 1638.28,1167.63 1623.75,1167.63 1623.47,1167.91 1565,1167.91 1497,1235.91 1497,1453.91 EM3.4@1380,1570.91
M3IN1: U2.24 U5.21 | length 1618.5
  Top Layer w7: v1(455,1495.91) 457.5,1493.41 538.02,1493.41 556.27,1475.16 U2.24@618.5,1475.16 ; v1(1560,1023.98) U5.21@1615.67,1023.98
  Bottom Layer w7: v1(455,1495.91) 456.44,1494.46 456.44,1477.41 518.25,1415.6 572.58,1415.6 876.18,1112 1044.96,1112 1076,1080.96 1076,1007.85 1105.06,978.8 1514.82,978.8 v1(1560,1023.98)
M3IN2: U2.25 U5.22 | length 1601.1
  Top Layer w7: v1(470,1510.91) 475.5,1505.41 542.99,1505.41 553.56,1494.84 U2.25@618.5,1494.84 ; v1(1560,1049.57) U5.22@1615.67,1049.57
  Bottom Layer w7: v1(470,1510.91) 471.91,1508.99 471.91,1478.91 523.22,1427.6 577.55,1427.6 881.15,1124 1049.94,1124 1088,1085.94 1088,1012.82 1110.03,990.8 1501.23,990.8 v1(1560,1049.57)
M3OUT1: EM3.1 U5.1 U5.2 | length 209.5
  Top Layer w40: 1306.93,1112.87 1306.93,1234.01 1330.36,1257.44 1366.54,1257.44 EM3.1@1380,1270.91
M3OUT2: EM3.6 U5.5 U5.6 | length 865.7
  Top Layer w40: 1291.69,982.58 1281.19,991.1 1250,1022.29 1250,1335.91 1295,1380.91 1295,1695.44 1323.28,1723.73 1325.53,1723.73 1372.71,1770.91 EM3.6@1380,1770.91
M3PWM: U2.39 U5.23 | length 1691.2
  Top Layer w7: U2.39@429.53,1703.5 429.53,1653.68 428,1652.15 428,1617.91 462.5,1583.41 508.41,1583.41 v1(510,1585) ; v1(1560,1075.16) U5.23@1615.67,1075.16
  Bottom Layer w7: v1(510,1585) 493.21,1568.21 493.21,1474.58 528.2,1439.6 582.52,1439.6 886.12,1136 1054.91,1136 1100,1090.91 1100,1017.8 1115,1002.8 1487.64,1002.8 v1(1560,1075.16)
M4EA: EM4.3 RP34.4 U2.14 | length 2169.3
  Top Layer w7: U2.14@508.27,1266.5 508.27,1214.76 530,1193.03 530,1192.57 571.67,1150.91 577.46,1150.91 592,1165.44 v1(592,1167.04) ; v1(1685,1030.91) 1685,1055.28 RP34.4@1685.63,1055.91
  Bottom Layer w7: v1(592,1167.04) 613.1,1167.04 625.55,1154.58 629.79,1154.58 958.65,825.72 1598.76,825.72 1630,856.96 1630,1045.91 1645,1060.91 1670,1060.91 1685,1045.91 v1(1685,1030.91) 1710,1030.91 1725,1045.91 1725,1375.91 EM4.3@1630,1470.91
M4EB: EM4.4 RP34.3 U2.15 | length 2288.2
  Top Layer w7: U2.15@527.95,1266.5 527.95,1212.05 562.98,1177.02 570.97,1177.02 v1(572.7,1175.3) ; v1(1663.69,1039.75) 1663.69,1065.67 1673.17,1075.15 1683.22,1075.15 RP34.3@1685.63,1077.56
  Bottom Layer w7: v1(572.7,1175.3) 574.42,1173.58 574.42,1161.28 737.8,997.91 754.35,997.91 938.53,813.72 1603.73,813.72 1647.83,857.82 1647.83,1035.25 1651.93,1039.35 1663.29,1039.35 v1(1663.69,1039.75) ; EM4.4@1630,1570.91 1737,1463.91 1737,1040.94 1710.47,1014.41 1678.17,1014.41 1664.27,1028.3 1664.27,1039.3 v1@1663.75,1039.82
M4IN1: U2.35 U5.17 | length 1713.2
  Top Layer w7: v1(490.37,1599.91) 490.37,1623.19 485,1628.56 485,1649.41 508.27,1672.67 U2.35@508.27,1703.5 ; v1(1560,921.61) U5.17@1615.67,921.61
  Bottom Layer w7: v1(490.37,1599.91) 433.5,1543.04 433.5,1483.38 513.28,1403.6 567.61,1403.6 871.21,1100 1039.99,1100 1064,1075.99 1064,1002.88 1100.09,966.8 1514.82,966.8 v1(1560,921.61)